# KiCad board MelonLORD.kicad_pcb (continued)
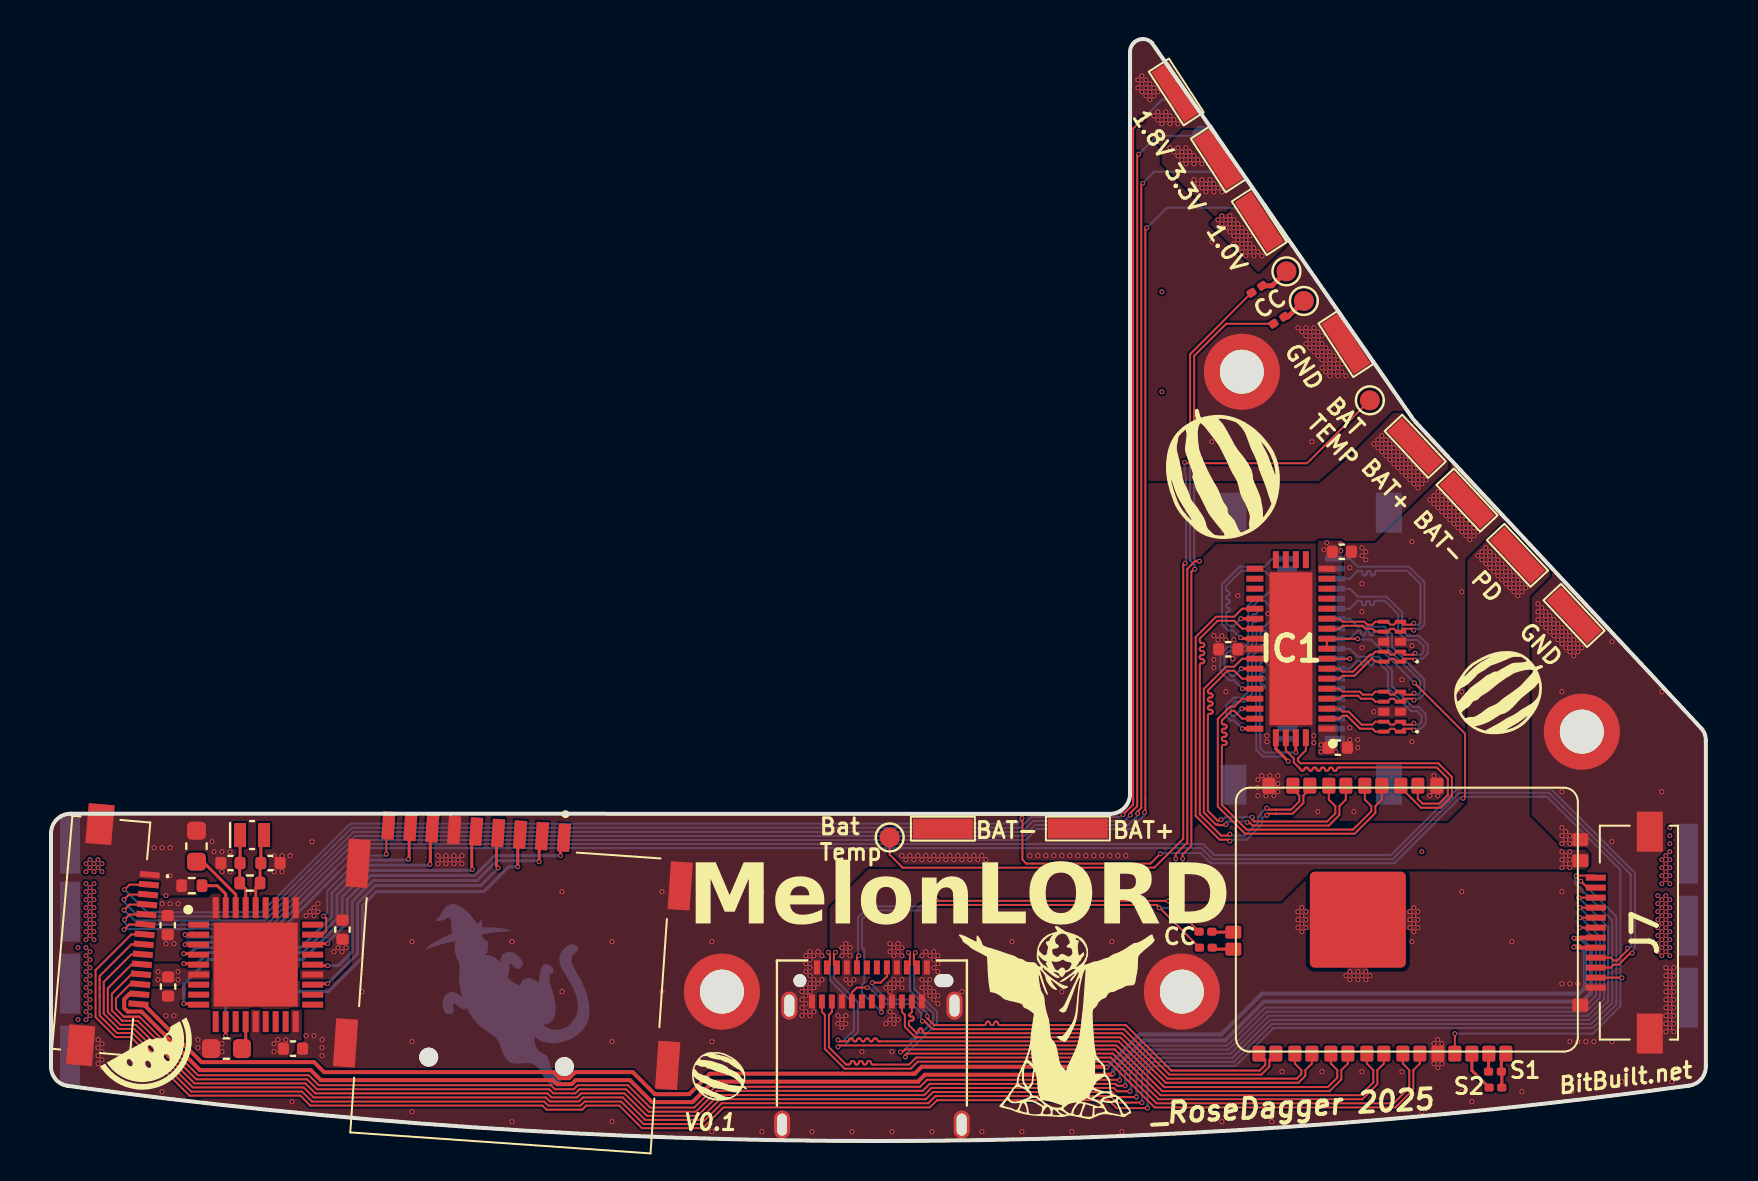
[diagram p0: board, top side]
## Routing (per net, layer and track width the routed paths; a pad name or vN(x,y) marks a point on that pad's centre or on a via; arc(x,y) is an arc through that point) (continued)
TX1-: length 34.6
  Top w0.102: v1(39.23,9.44) 39.15,9.37 39.15,8.83 J1.A3 ; U1.20 64.85,3.87 64.53,3.55 64.53,3.08 63.94,2.49 55.57,2.49 53.28,4.78 39.43,4.78 v1(39.36,4.71)
  Bottom w0.102: v1(39.23,9.44) 39.15,9.37 39.15,8.14 40.35,6.94 40.35,5.45 39.68,4.78 39.43,4.78 v1(39.36,4.71)
TX2+: length 24
  Top w0.102: U1.17 62.2,3.87 62.52,3.55 62.52,3.34 62.3,3.12 55.83,3.12 53.56,5.39 43.66,5.39 arc(43.61,5.41) 43.58,5.47 43.58,5.55 arc(43.56,5.61) 43.5,5.63 43.46,5.63 arc(43.4,5.61) 43.38,5.55 43.38,5.47 arc(43.36,5.41) 43.3,5.39 42.9,5.79 42.9,5.94 arc(42.93,6) 42.98,6.02 43.06,6.02 arc(43.12,6.05) 43.14,6.1 43.14,6.15 arc(43.12,6.2) 43.06,6.23 42.98,6.23 arc(42.93,6.25) 42.9,6.31 43.05,6.45 J1.B2
TX2-: length 24
  Top w0.102: U1.18 63.05,3.87 62.73,3.55 62.73,3.26 62.38,2.92 55.75,2.92 55.74,2.91 53.47,5.19 43.21,5.19 42.7,5.7 42.7,6.31 42.55,6.45 J1.B3
USB_DATA+: length 84.7
  Top w0.102: J7.3 78,8.67 78.15,8.82 78.4,8.82 78.97,9.4 v1(79.08,9.4)
  Top w0.152: IC2.2 v1(6.7,10.32)
  Bottom w0.102: v1(79.08,9.4) 79.08,9.5 79.2,9.62 79.2,13.41 74.99,17.62 70.33,17.62 67.01,14.3 58.17,14.3 57.62,14.85 15.42,14.85 14.21,13.63
  Bottom w0.152: v1(6.7,10.32) 6.82,10.2 10.77,10.2 14.21,13.63
USB_DATA-: length 84.1
  Top w0.102: J7.4 78,9.17 78.15,9.02 78.31,9.02 78.83,9.54 v1(78.83,9.64)
  Top w0.152: IC2.3 v1(6.7,9.82)
  Bottom w0.102: 14.39,13.46 15.58,14.64 57.53,14.64 58.08,14.09 67.09,14.09 70.42,17.42 74.9,17.42 79,13.32 79,9.71 78.93,9.64 v1(78.83,9.64)
  Bottom w0.152: 14.39,13.46 10.88,9.94 6.82,9.94 v1(6.7,9.82)
W_IN: length 87.5
  Top w0.102: v1(76.45,11.17) J7.8 ; v1(53.72,2.76) 53.71,2.76 53.32,2.76 53.23,2.86 43.94,2.86 43.58,2.5 43.56,2.5 43.55,2.51 33.29,2.51 32.25,1.47 29.88,1.47 28.76,2.59 26.43,2.59 26.22,2.38 25.12,2.38 24.91,2.59 13.3,2.59 12.8,3.09 7.26,3.09 4.34,6.01 3.56,6.01 3.05,6.53 3.05,7.36 4.02,8.34 J5.11
  Bottom w0.102: v1(76.45,11.17) 76.5,11.17 77.46,10.21 77.46,7.35 77.46,7.35 77.46,7.21 77.45,7.21 77.45,7.19 77.4,7.13 77.4,7.12 76.75,6.47 76.74,6.47 76.73,6.47 60.79,6.47 58.9,4.57 54.8,4.57 53.72,3.49 53.72,3.16 53.72,3.15 53.72,2.92 53.72,2.92 v1(53.72,2.76)
Net-(IC2-RBIAS): length 2
  Top w0.152: R5.2 8.31,12.77 8.74,12.35 IC2.35
Net-(IC2-VDD18): length 1.3
  Top w0.152: IC2.13 9.74,4.78 9.66,4.7
Net-(IC2-VDD18PLL): length 3.3
  Top w0.152: IC2.34 9.24,12.33 7.6,13.97 7.24,13.97
Net-(IC2-XTAL1_(CLKIN)): length 3.8
  Top w0.152: Y1.1 C2.2 9.44,13.88 R6.1 9.74,12.6 IC2.33
Net-(IC2-XTAL2): length 3.8
  Top w0.152: Y1.2 10.5,15.14 C1.1 10.46,13.86 R6.2 10.24,12.68 IC2.32
Net-(R7-Pad1): length 1.5
  Top w0.25: R7.1 61.06,42.77 TP5.1
Net-(R8-Pad1): length 1.3
  Top w0.25: R8.1 61.86,41.22 TP13.1
Net-(U1-3.3V_OUT): length 1.9
  Top w0.152: U1.29 72.52,4.25 R4.1 72.55,3.44 R3.2
Net-(U1-CC1): length 1.2
  Top w0.152: 59.23,9.59 58.14,9.59 R1.1
Net-(U1-CC2): length 1.2
  Top w0.152: 59.23,10.44 58.08,10.44 R2.1
Net-(U1-SEL0): length 2.2
  Top w0.152: U1.27 71.05,3.53 R3.1
Net-(U1-SEL1): length 1
  Top w0.152: U1.28 71.89,4.45 R4.2

## Copper pours and planes (outline as drawn; the poured copper is in the pictures)
+1V0 on Top: 59.95,47.87 57.95,45.87 60.35,43.47 60.42,43.47 61.95,45 61.95,45.87
+1V8 on Top: 58.15,50.67 56.55,50.67 55.55,49.67 53.95,51.27 53.95,54.87 54.35,55.27 54.95,55.27 58.15,52.07
+1V8 on Bottom: -0.05,13.27 2.75,13.27 2.75,16.87 0.15,16.87 -0.05,16.67
+1V8 on In2.Cu: -0.05,13.27 2.75,13.27 4.35,14.87 54.75,14.87 56.35,16.47 56.35,48.07 55.55,48.87 55.55,49.67 56.55,50.67 58.15,50.67 58.15,52.07 54.95,55.27 54.35,55.27 53.74,54.66 53.74,17.22 53.2,16.67 -0.25,16.67 -0.25,13.47
+1V15 on Bottom: 82.75,12.67 79.95,12.67 79.95,16.07 82.75,16.07
+1V15 on Bottom: -0.05,13.27 2.75,13.27 2.75,9.82 0,9.82 -0.05,9.87
+1V15 on In2.Cu: 2.75,13.27 2.75,9.82 2.7,9.77 1.25,9.77 1.25,4.77 2.45,3.57 12.65,3.57 13.65,2.57 24.85,2.57 25.35,2.07 32.35,2.07 33.45,3.17 57.05,3.17 58.35,1.87 58.75,1.87 60.15,3.27 71.8,3.27 73.7,5.17 81.35,5.17 81.55,5.37 81.55,12.47 81.35,12.67 79.95,12.67 79.95,16.07 82.85,16.07 82.85,0.67 79.35,-2.83 1.25,-2.83 -1.25,-0.33 -1.25,12.07 -0.05,13.27
+3V3 on Top: 12.45,8.07 14.15,8.07 14.95,8.87 14.95,10.47 14.85,10.57 13.95,10.57 12.45,9.07
+3V3 on Top: 8.55,12.37 8.55,11.07 6.45,11.07 6.15,10.77 5.35,10.77 4.95,11.17 4.95,12.07 5.05,12.17 7.85,12.17 8.05,12.37
+3V3 on Top: 7.95,8.57 7.95,8.07 6.75,8.07 6.41,7.72 4.85,7.72 4.85,8.87 6.65,8.87 6.95,8.57
+3V3 on Top: 64.55,30.02 64.55,28.27 63.35,28.27 63.35,30.02
+3V3 on Top: 59.95,47.67 58.35,46.07 55.55,48.87 55.55,49.67 56.55,50.67 58.15,50.67 59.95,48.87
+3V3 on Top: 60.75,24.27 59.55,24.27 59.15,23.87 58.95,23.87 58.95,26.07 59.15,26.07 59.95,25.27 60.75,25.27
+3V3 on Top: 63.35,20.87 63.35,19.27 64.35,19.27 64.35,20.87
+3V3 on Top: 12.55,6.57 12.55,4.87 11.85,4.17 10.05,4.17 9.95,4.27 9.95,6.57
+3V3 on Bottom: -0.05,5.87 2.75,5.87 2.75,9.82 0.1,9.82 -0.05,9.67
+3V3 on Bottom: 82.75,12.67 79.95,12.67 79.95,9.07 82.75,9.07
+3V3 on In2.Cu: 98.15,-7.53 98.15,60.47 -12.05,60.47 -12.05,-7.53
GND on Top, Bottom, In1.Cu: -7.18,-6.03 96.3,-6.03 96.3,60.47 -6.86,60.47 -6.86,51.56 -6.13,50.83 -7.18,49.78
VBUS on Top: 72.64,30.88 70.83,29.07 70.83,16.87 69.86,15.9 57.44,15.9 55.14,13.6 40.87,13.6 38.93,11.66 38.93,4.97 43.02,4.97 43.05,11.57 43.45,11.97 55.84,11.99 55.85,11.98 61.5,11.98 63.11,13.59 69.82,13.59 69.83,13.58 76.74,13.58 76.92,13.76 76.92,14.36 76.7,14.58 75.6,14.58 73.94,16.24 73.94,27.23 74.95,28.24 74.95,28.58
VBUS on Bottom: 43.02,10.4 38.83,10.4 38.83,4.78 43.02,4.78
+BATT on Top: 48.61,13.61 55.14,13.61 56.64,15.11 56.64,28.38 58.22,29.96 66.17,30.01 69.87,33.62 69.87,34.11 67.58,36.41 67.14,36.41 64.99,34.27 63.43,32.89 53.7,32.91 53.7,17.53 53.74,17.48 53.74,17.22 53.01,16.47 48.7,16.47 48.61,16.39

## Text on the board
B.Fab: Battery
B.Silkscreen: 1.15V | 3.3V | GND | 1.8V | MX14 | MX11 | MelonLORD
F.Silkscreen: Bat / Temp | BAT- | BAT+ | CC | S2 | S1 | 1.8V | 3.3V | 1.0V | GND | BAT / TEMP | PD | V${REVISION} | BitBuilt.net | _RoseDagger 2025 | MelonLORD
